# Altium PCB Gould.PcbDoc (part 2 of 2) (continued)
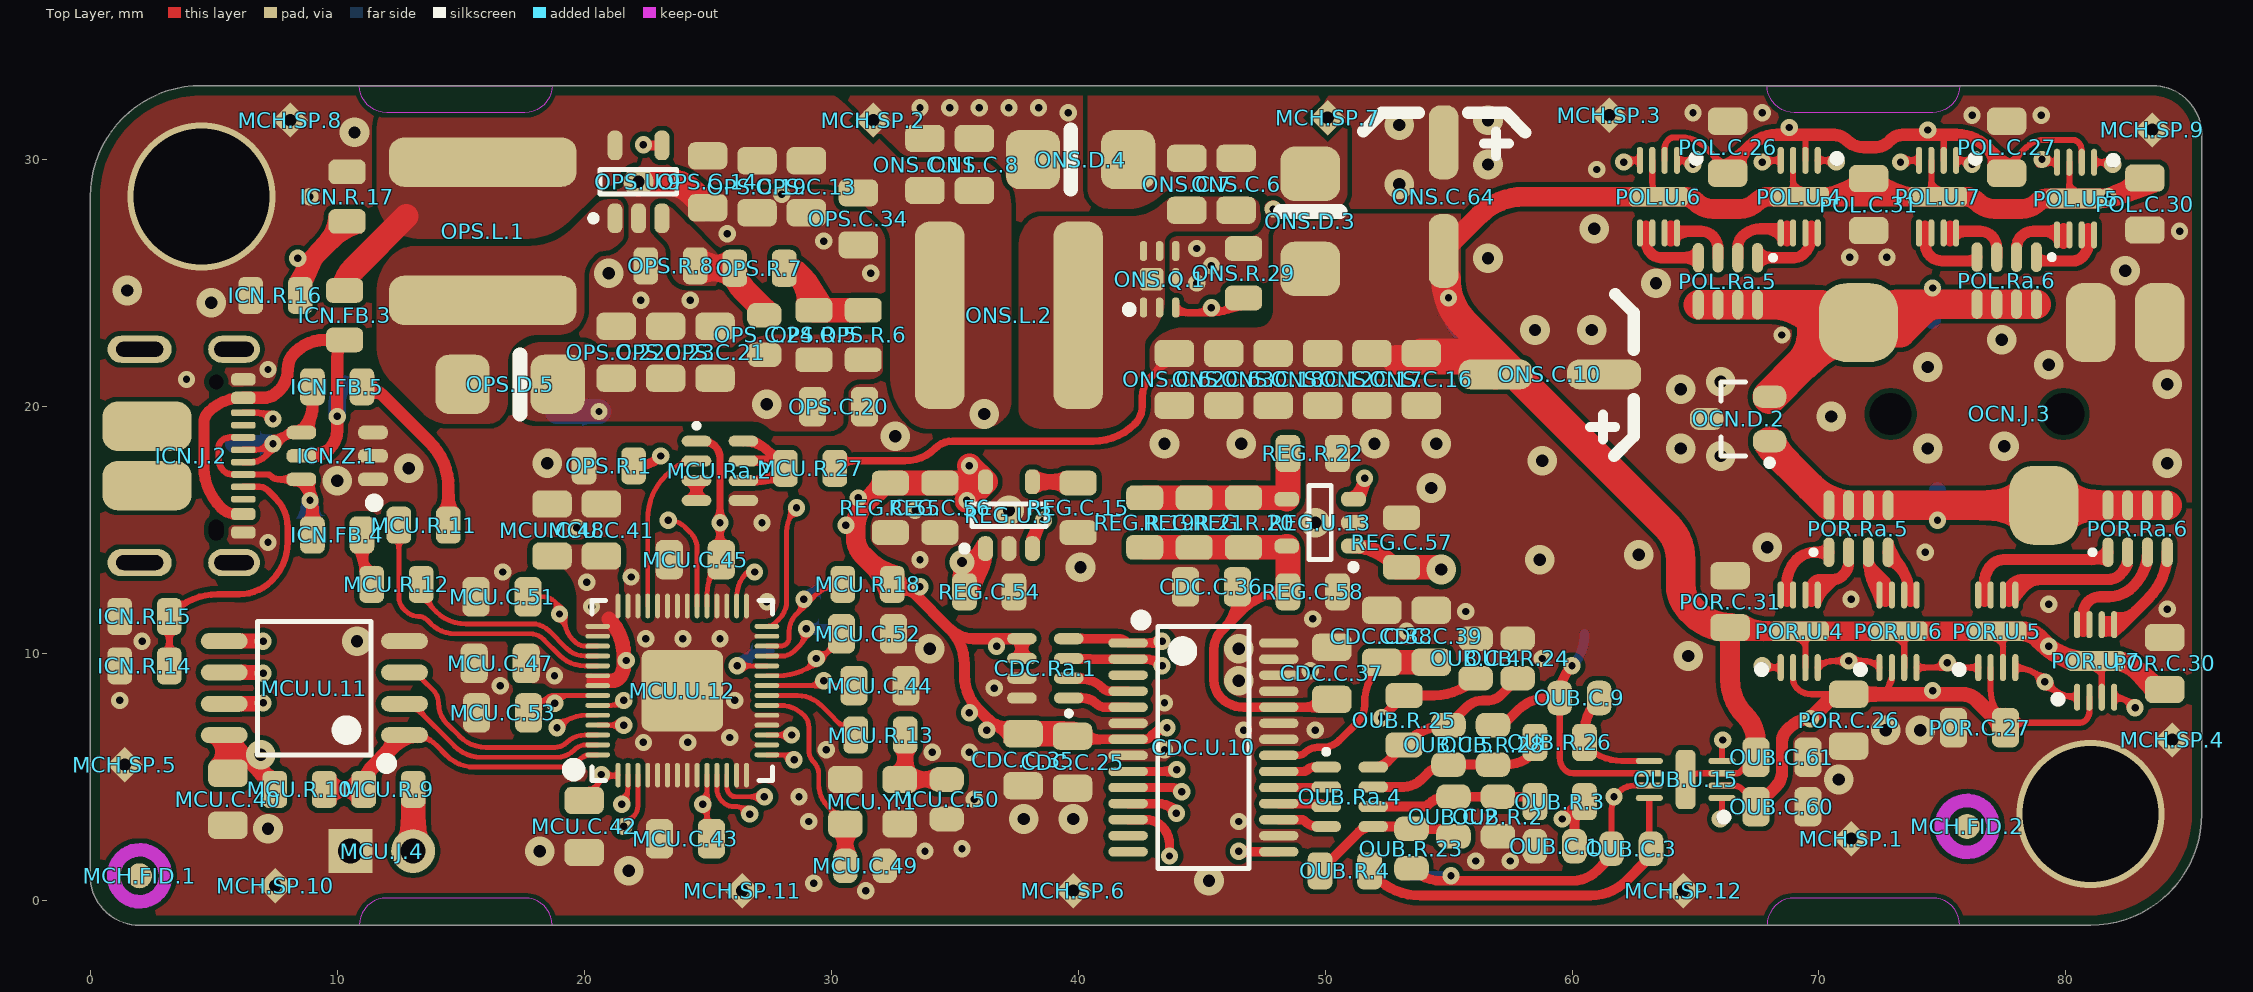
[diagram p0: Top Layer view]
## Nets (pads, with @x,y where several pads share a name; then routed paths per layer and width w, separated by ;. In a path a pad name is that pad's centre, name@x,y a point inside that pad or via, vN(x,y) a via of type N, cw(c..) or ccw(c..) an arc to the next point about the centre after c; other vN are vias at no path point) (continued)
NetMCU.C.49_1: MCU.C.49.1 MCU.U.12.20 MCU.Y.1.1 | length 8.4
  Top Layer w0.2: MCU.U.12.20@27.4,7.9 27.934,7.9 cw(c27.934,6.534) 28.9,7.5 cw(c28.417,7.017) 29.1,7.017 29.1,6.083 ccw(c29.783,6.083) 29.3,5.6 cw(c28.817,5.117) 29.5,5.117 29.5,4.7 ccw(c30.767,4.7) 29.871,3.804 MCU.Y.1.1@30.575,3.1 cw(c30.575,3.281) MCU.Y.1.1@30.447,3.153
  Top Layer w0.6: MCU.C.49.1@30.575,1.4 MCU.Y.1.1@30.575,3.1
NetMCU.C.50_2: MCU.C.50.2 MCU.R.13.2 MCU.Y.1.3 | length 3.8
  Top Layer w0.6: MCU.R.13.2@33.002,6.7 33.002,5.449 cw(c32.226,5.449) MCU.Y.1.3@32.775,4.9 MCU.C.50.2@34.675,4.9
NetMCU.J.4_2: MCU.J.4.2 MCU.R.9.1 | length 2.5
  Top Layer w1: MCU.J.4.2@13.075,2 13.077,2.002 MCU.R.9.1@13.077,4.5
NetMCU.R.9_2: MCU.R.9.2 MCU.R.10.2 MCU.U.11.1 MCU.U.12.56 | length 12.8
  Top Layer w0.2: MCU.U.11.1@12.725,6.695 13.046,6.695 cw(c13.046,5.346) 14,6.3 14.429,5.871 ccw(c15.567,7.01) 15.566,5.4 ; 15.567,5.4 19.076,5.4 ccw(c19.076,6.424) 19.8,5.7 cw(c20.283,5.217) 20.283,5.9 MCU.U.12.56@20.55,5.9
  Top Layer w0.6: MCU.R.10.2@9.477,4.5 MCU.R.9.2@11.073,4.5 cw(c12.383,4.5) 11.456,5.426 MCU.U.11.1@12.725,6.695
NetMCU.R.11_1: MCU.R.11.1 MCU.U.12.47 | length 12.1
  Top Layer w0.2: MCU.R.11.1@12.498,15.2 12.5,15.198 12.5,12.283 ccw(c13.183,12.283) 12.7,11.8 12.788,11.712 ccw(c13.3,12.224) 13.3,11.5 cw(c13.3,11.017) 13.641,11.359 13.8,11.2 ccw(c14.766,12.166) 14.766,10.8 17.8,10.8 cw(c17.8,9.993) 18.371,10.564 19.016,9.918 ccw(c20.024,10.924) 20.024,9.5 MCU.U.12.47@20.55,9.5
NetMCU.R.12_1: MCU.R.12.1 MCU.U.12.46 | length 8.7
  Top Layer w0.2: MCU.R.12.1@13.402,13.1 ccw(c15.34,13.1) 13.97,11.73 14,11.7 ccw(c15.207,12.907) 15.207,11.2 17.9,11.2 cw(c17.9,10.234) 18.583,10.917 19.3,10.2 ccw(c20.024,10.924) 20.024,9.9 MCU.U.12.46@20.55,9.9
NetMCU.R.13_1: MCU.R.13.1 MCU.U.12.21 | length 4.2
  Top Layer w0.2: MCU.U.12.21@27.4,8.3 28.634,8.3 cw(c28.634,6.934) 29.6,7.9 30.66,6.84 ccw(c30.998,7.177) MCU.R.13.1@30.998,6.7
NetMCU.R.18_2: MCU.R.18.2 MCU.TP.6.1 MCU.U.12.26 | length 6.3
  Top Layer w0.2: MCU.U.12.26@27.4,10.3 27.959,10.3 ccw(c27.959,10.641) 28.2,10.4 ccw(c27.959,10.641) 28.3,10.641 28.3,10.9 cw(c29.266,10.9) 28.583,11.583 29.324,12.324 cw(c30.473,11.176) MCU.R.18.2@30.473,12.8
  Bottom Layer w0.4: v1(28.9,12.2) cw(c30.349,10.751) 30.349,12.8 MCU.TP.6.1@30.6,12.8
NetMCU.R.27_2: MCU.R.27.2 MCU.Ra.2.6 MCU.Ra.2.7 MCU.Ra.2.8 | length 5.7
  Top Layer w0.4: MCU.Ra.2.6@26.45,17 26.94,17 ccw(c26.94,18.707) MCU.R.27.2@28.148,17.5 ; MCU.Ra.2.7@26.45,17.8 27.423,17.8 cw(c27.423,16.776) MCU.R.27.2@28.148,17.5 ; MCU.Ra.2.8@26.45,18.6 cw(c26.45,17.157) 27.47,18.177 MCU.R.27.2@28.148,17.5
NetMCU.Ra.2_2: MCU.Ra.2.2 MCU.U.12.39 | length 6.9
  Top Layer w0.2: MCU.U.12.39@22.575,11.925 22.575,15.45 cw(c25.05,15.45) 23.3,17.2 23.44,17.34 cw(c24.55,16.231) MCU.Ra.2.2@24.55,17.8
NetMCU.Ra.2_3: MCU.Ra.2.3 MCU.Ra.2.4 | length 0.8
  Top Layer w0.45: MCU.Ra.2.4@24.55,16.2 MCU.Ra.2.3@24.55,17
NetMCU.TP.5_1: MCU.TP.5.1 MCU.U.12.25 | length 3.8
  Top Layer w0.2: MCU.U.12.25@27.4,9.9 28.017,9.9 ccw(c28.017,10.583) 28.5,10.1 28.717,10.317 ccw(c28.034,11) v1(29,11)
  Bottom Layer w0.4: v1(29,11) 30.359,11 ccw(c30.359,11.341) MCU.TP.5.1@30.6,11.1
NetMCU.TP.7_1: MCU.TP.7.1 MCU.U.12.24 | length 2.7
  Top Layer w0.2: v1(26.2,9.5) MCU.U.12.24@27.4,9.5
  Bottom Layer w0.4: v1(26.2,9.5) 26.305,9.605 cw(c27.5,8.41) MCU.TP.7.1@27.5,10.1
NetMCU.U.11_2: MCU.U.11.2 MCU.U.12.55 | length 8.8
  Top Layer w0.2: MCU.U.11.2@12.725,7.965 cw(c12.725,7.217) 13.254,7.746 14.756,6.244 ccw(c15.828,7.316) 15.828,5.8 18.901,5.8 ccw(c18.901,6.765) 19.6,6.1 cw(c20.083,5.617) 20.083,6.3 MCU.U.12.55@20.55,6.3
NetMCU.U.11_3: MCU.U.11.3 MCU.U.12.54 | length 9.5
  Top Layer w0.2: MCU.U.11.3@12.725,9.235 cw(c12.725,8.173) 13.476,8.924 13.888,8.512 cw(c13.376,8) 14.1,8 ccw(c15.307,8) 14.453,7.147 14.956,6.644 ccw(c16.028,7.716) 16.028,6.2 18.817,6.2 ccw(c18.817,6.883) 19.3,6.4 cw(c20.024,5.676) 20.024,6.7 MCU.U.12.54@20.55,6.7
NetMCU.U.11_5: MCU.U.11.5 MCU.U.12.53 | length 22.1
  Top Layer w0.2: MCU.U.12.53@20.55,7.1 v1(21.6,7.1)
  Top Layer w0.6: MCU.U.11.5@5.425,10.505 6.995,10.505 v1(7,10.5)
  Plane 3 w0.4: v1(7,10.5) 6.495,9.995 ccw(c7.69,8.8) 6,8.8 6,7.883 ccw(c6.683,7.883) 6.2,7.4 6.246,7.354 ccw(c7.1,8.207) 7.1,7 7.676,7 cw(c7.676,5.976) 8.4,6.7 ccw(c9.607,7.907) 9.607,6.2 19.648,6.2 ccw(c19.648,8.74) 21.444,6.944 v1(21.6,7.1)
NetMCU.U.11_6: MCU.U.11.6 MCU.U.12.52 | length 16.1
  Top Layer w0.2: v1(18.9,7) cw(c20.107,5.793) 20.107,7.5 MCU.U.12.52@20.55,7.5
  Top Layer w0.6: MCU.U.11.6@5.425,9.235 6.915,9.235 cw(c6.915,9.115) v1(7,9.2)
  Plane 3 w0.4: v1(7,9.2) 8.456,7.744 ccw(c10.252,9.54) 10.252,7 v1(18.9,7)
NetMCU.U.11_7: MCU.U.11.7 MCU.U.12.51 | length 18.6
  Top Layer w0.2: MCU.U.12.51@20.55,7.9 21.117,7.9 ccw(c21.117,8.583) v1(21.6,8.1)
  Top Layer w0.6: MCU.U.11.7@5.425,7.965 6.916,7.965 ccw(c6.916,8.084) v1(7,8)
  Plane 4 w0.4: v1(7,8) 13.148,8 cw(c13.148,5.46) 14.944,7.256 15.4,6.8 ccw(c17.09,8.49) 17.09,6.1 18.348,6.1 ccw(c18.348,8.64) 20.144,6.844 21.259,7.959 cw(c21.6,7.617) v1(21.6,8.1)
NetMCU.U.12_28: MCU.U.12.28 ONS.Q.1.G ONS.R.29.2 | length 28.3
  Top Layer w0.2: MCU.U.12.28@27.4,11.1 ccw(c27.4,11.583) 27.741,11.241 27.9,11.4 ccw(c27.176,12.124) 28.2,12.124 28.2,14.934 cw(c29.566,14.934) v1(28.6,15.9)
  Top Layer w0.3: ONS.Q.1.G@43.95,24.01 ccw(c44.457,24.517) 44.457,23.8 45.5,23.8 ccw(c45.5,25.254) 46.528,24.226 ONS.R.29.2@46.7,24.398
  Plane 3 w0.35: v1(28.6,15.9) 29.356,16.656 cw(c31.152,14.86) 31.152,17.4 31.973,17.4 ccw(c31.973,19.156) 33.214,17.914 33.859,18.559 ccw(c33.517,18.9) 34,18.9 cw(c34.724,18.9) 34.212,19.412 34.9,20.1 cw(c36.349,18.651) 36.349,20.7 41.048,20.7 ccw(c41.048,23.24) 42.844,21.444 v1(45.4,24)
NetMCU.U.12_34: MCU.U.12.34 OPS.R.1.2 OPS.U.9.4 | length 21.7
  Top Layer w0.2: v1(23.4,15.4) cw(c23.4,14.434) 24.083,15.117 24.3,14.9 cw(c23.636,14.236) 24.575,14.236 MCU.U.12.34@24.575,11.925
  Top Layer w0.4: OPS.R.1.2@22.002,17.6 22.134,17.6 ccw(c22.134,18.966) v1(23.1,18) ; v1(22.4,30.6) ccw(c22.46,30.66) 22.46,30.575 OPS.U.9.4@23.15,30.575
  Plane 4 w0.4: v1(22.4,30.6) cw(c22.4,30.359) 22.571,30.529 22.9,30.2 cw(c21.693,28.993) 23.4,28.993 v1(23.4,15.4)
NetOCN.D.2_1: OCN.D.2.1 OCN.J.3.3 OCN.TP.14.1 POR.Ra.5.5 POR.Ra.5.6 POR.Ra.5.7 POR.Ra.5.8 POR.Ra.6.5 POR.Ra.6.6 POR.Ra.6.7 POR.Ra.6.8 | length 21.7
  Top Layer w1.2: OCN.D.2.1@68,18.6 ccw(c68.483,18.6) 68.141,18.259 68.75,17.65 ; POR.Ra.6.5@84.1,16 POR.Ra.6.6@83.3,16 POR.Ra.6.7@82.5,16 POR.Ra.6.8@81.7,16 POR.Ra.5.5@72.8,16 POR.Ra.5.6@72,16 71.452,16 ; 68.75,17.65 POR.Ra.5.8@70.4,16 POR.Ra.5.7@71.2,16 71.452,16 ; 68.75,17.65 69.656,16.744 ccw(c71.452,18.54) 71.452,16
  Bottom Layer w0.7: v1(74.8,15.4) OCN.TP.14.1@74.8,16.6
NetOCN.D.2_2: OCN.D.2.2 OCN.J.3.2 OCN.TP.15.1 POL.Ra.5.5 POL.Ra.5.6 POL.Ra.5.7 POL.Ra.5.8 POL.Ra.6.5 POL.Ra.6.6 POL.Ra.6.7 POL.Ra.6.8 | length 27.8
  Top Layer w1.2: POL.Ra.5.5@65.112,24.128 POL.Ra.5.6@65.912,24.128 POL.Ra.5.7@66.712,24.128 POL.Ra.5.8@67.512,24.128 68.043,24.128 ; 69.8,23.4 ccw(c68.043,21.643) 68.043,24.128 ; POL.Ra.6.8@78.8,24.15 POL.Ra.6.7@78,24.15 POL.Ra.6.6@77.2,24.15 POL.Ra.6.5@76.4,24.15 74.901,24.15 ; 68.043,24.128 69.843,24.128 cw(c69.843,21.643) OCN.J.3.2@71.6,23.4 ; OCN.J.3.2@71.6,23.4 ccw(c72.566,24.366) 72.566,23 73.3,23 74.131,23.831 cw(c74.901,23.061) 74.901,24.15 ; OCN.J.3.2@71.6,23.4 71.606,23.406 cw(c73.402,21.61) 73.402,24.15 74.901,24.15
  Top Layer w1.4: OCN.D.2.2@68,20.4 69.289,21.689 ; 69.8,23.4 69.8,22.924 cw(c68.051,22.924) 69.289,21.689 ; OCN.J.3.2@71.6,23.4 ccw(c71.6,21.951) 70.576,22.976 69.289,21.689
  Bottom Layer w0.7: OCN.TP.15.1@74.6,23.5 v1(74.6,24.8)
NetONS.C.6_1: ONS.C.6.1 ONS.C.7.1 ONS.D.3.1 ONS.D.4.2
NetONS.C.6_2: ONS.C.6.2 ONS.C.7.2 ONS.L.2.2 ONS.Q.1.D
NetOPS.C.24_1: OPS.C.24.1 OPS.R.7.1 OPS.R.8.2 OPS.U.9.3 | length 3.8
  Top Layer w1: OPS.R.8.2@24.502,25.7 ccw(c24.744,25.941) 24.744,25.6 OPS.R.7.1@26.098,25.6 ccw(c27.293,25.6) 26.448,24.755 OPS.C.24.1@27.3,23.902
NetOPS.D.5_2: OPS.D.5.2 OPS.L.1.2 OPS.U.9.1
NetOPS.R.5_1: OPS.R.5.1 OPS.R.6.1 OPS.R.7.2 | length 4.3
  Top Layer w1: OPS.R.7.2@28.102,25.6 cw(c28.102,24.882) 28.61,25.39 28.8,25.2 cw(c27.593,23.993) 29.3,23.993 OPS.R.5.1@29.3,23.902 OPS.R.6.1@31.3,23.902
NetOUB.C.1_1: OUB.C.1.1 OUB.R.3.2 OUB.U.15.1 | length 10.3
  Top Layer w0.25: v1(66,3.3) ccw(c65.831,3.469) 66.07,3.469 OUB.U.15.1@66.07,4.15
  Top Layer w0.4: v1(59.6,3.3) 60.157,3.857 cw(c60.502,3.511) OUB.R.3.2@60.502,4 ccw(c61.474,3.029) 60.1,3.029 OUB.C.1.1@60.1,2.2
  Plane 4 w0.4: v1(59.6,3.3) v1(66,3.3)
NetOUB.C.2_1: OUB.C.2.1 OUB.R.4.1 OUB.R.23.2 OUB.Ra.4.5 | length 6.2
  Top Layer w0.4: OUB.R.4.1@49.798,1.2 49.8,1.2 51.353,2.753 cw(c51.95,2.155) OUB.Ra.4.5@51.95,3 53.259,3 cw(c53.259,2.659) OUB.R.23.2@53.5,2.9 54.476,2.9 cw(c54.476,1.876) OUB.C.2.1@55.2,2.6
NetOUB.C.2_2: OUB.C.2.2 OUB.R.2.2 OUB.R.3.1 OUB.Ra.4.6 | length 6.7
  Top Layer w0.4: OUB.Ra.4.6@51.95,3.8 53.959,3.8 ccw(c53.959,4.141) 54.2,3.9 cw(c54.924,3.176) 54.924,4.2 OUB.C.2.2@55.2,4.2 OUB.R.2.2@57,4.2 58.015,4.2 cw(c58.015,3.517) OUB.R.3.1@58.498,4
NetOUB.C.3_1: OUB.C.3.1 OUB.R.4.2 OUB.U.15.8 | length 14.6
  Top Layer w0.25: OUB.U.15.8@63.13,4.15 63.13,2.269 ccw(c63.369,2.269) OUB.C.3.1@63.2,2.1
  Top Layer w0.4: OUB.R.4.2@51.802,1.2 52.058,0.944 ccw(c53.855,2.74) 53.855,0.2 60.751,0.2 ccw(c60.751,2.249) 62.2,0.8 62.988,1.588 ccw(c62.476,2.1) OUB.C.3.1@63.2,2.1
NetOUB.C.3_2: OUB.C.3.2 OUB.R.23.1 OUB.TP.4.1 OUB.U.15.7 POR.U.4.1 POR.U.4.4 POR.U.5.1 POR.U.5.4 POR.U.6.1 POR.U.6.4 POR.U.7.1 POR.U.7.4 | length 48.4
  Top Layer w0.25: OUB.C.3.2@61.6,2.1 61.6,3.676 cw(c62.624,3.676) 61.9,4.4 cw(c62.504,3.796) 62.504,4.65 OUB.U.15.7@63.13,4.65 ; v1(67.7,9.5) ccw(c67.869,9.669) 67.869,9.43 POR.U.4.1@68.45,9.43 ; POR.U.4.4@69.95,9.43 cw(c70.602,8.778) 70.602,9.7 v1(71.2,9.7) 71.798,9.7 cw(c71.798,8.778) POR.U.6.1@72.45,9.43 ; POR.U.6.4@73.95,9.43 POR.U.5.1@76.45,9.43 ; POR.U.5.4@77.95,9.43 cw(c77.95,7.933) 79.008,8.992 v1(79.149,8.851) 79.289,8.711 ccw(c80.45,9.872) POR.U.7.1@80.45,8.23 ; POR.U.7.4@81.95,8.23 cw(c81.95,7.216) 82.667,7.933 v1(82.799,7.799)
  Top Layer w0.4: OUB.R.23.1@53.5,1.3 ccw(c54.707,2.507) 54.707,0.8 60.034,0.8 ccw(c60.034,2.166) 61,1.2 61.388,1.588 ccw(c60.876,2.1) OUB.C.3.2@61.6,2.1
  Plane 3 w0.5: v1(67.7,9.5) 68.07,9.653 ; 68.074,9.703 ccw(c68.183,11.557) 68.183,9.7 ; 68.233,9.7 v1(71.2,9.7) 75.031,9.7 cw(c75.031,9.461) v1(75.2,9.63) 77.318,9.63 cw(c77.318,7.09) 79.114,8.886 v1(79.149,8.851) 80.695,8.851 cw(c80.695,6.311) 82.491,8.107 v1(82.799,7.799)
  Plane 3 w0.6: v1(61.7,4.2) cw(c63.39,4.2) 62.195,5.395 65.709,8.909 cw(c67.505,7.113) 67.505,9.653 68.07,9.653
  Bottom Layer w0.4: OUB.TP.4.1@53.5,1 v1(55.1,1)
NetOUB.C.4_1: OUB.C.4.1 OUB.R.25.2 OUB.U.15.4 | length 19.3
  Top Layer w0.25: OUB.U.15.4@66.07,5.65 66.07,6.428 cw(c66.172,6.428) v1(66.1,6.5)
  Top Layer w0.4: v1(52.3,7.4) 52.3,7.402 OUB.R.25.2@53.2,8.302 54.416,8.302 ccw(c54.416,10.684) OUB.C.4.1@56.1,9
  Plane 4 w0.4: v1(52.3,7.4) 64.148,7.4 cw(c64.148,4.86) 65.944,6.656 v1(66.1,6.5)
NetOUB.C.5_1: OUB.C.5.1 OUB.R.26.1 OUB.R.28.2 OUB.Ra.4.7 | length 7
  Top Layer w0.4: OUB.Ra.4.7@51.95,4.6 53.176,4.6 ccw(c53.176,5.624) 53.9,4.9 54.146,5.146 cw(c55,4.293) OUB.C.5.1@55,5.5 OUB.R.28.2@56.8,5.5 57.29,5.5 ccw(c57.29,7.207) OUB.R.26.1@58.498,6
NetOUB.C.5_2: OUB.C.5.2 OUB.R.24.2 OUB.R.25.1 OUB.Ra.4.8 | length 7.1
  Top Layer w0.4: OUB.Ra.4.8@51.95,5.4 ccw(c51.95,6.251) 52.552,5.649 OUB.R.25.1@53.2,6.298 53.297,6.395 cw(c55,4.692) OUB.C.5.2@55,7.1 55.717,7.817 cw(c56.4,7.134) 56.4,8.1 56.617,8.1 ccw(c56.617,8.783) 57.1,8.3 OUB.R.24.2@57.8,9
NetOUB.C.9_1: OUB.C.9.1 OUB.R.26.2 OUB.U.15.5 | length 4.9
  Top Layer w0.25: OUB.R.26.2@60.6,6.236 ccw(c62.014,7.649) 62.014,5.65 OUB.U.15.5@63.13,5.65
  Top Layer w0.4: OUB.R.26.2@60.502,6 ccw(c60.267,6.236) OUB.R.26.2@60.6,6.236 ; OUB.R.26.2@60.502,6.4 60.502,6.757 cw(c62.543,6.757) OUB.C.9.1@61.1,8.2
NetOUB.C.9_2: OUB.C.9.2 OUB.R.28.1 OUB.TP.10.1 OUB.U.15.6 POL.U.4.1 POL.U.4.4 POL.U.5.1 POL.U.5.4 POL.U.6.1 POL.U.6.4 POL.U.7.1 POL.U.7.4 | length 59.3
  Top Layer w0.25: OUB.C.9.2@59.5,8.2 59.5,5.783 ccw(c60.183,5.783) 59.7,5.3 ccw(c60.062,5.662) 60.062,5.15 OUB.U.15.6@63.13,5.15 ; v1(62.1,29.9) cw(c62.269,29.731) 62.269,29.97 POL.U.6.4@62.75,29.97 ; POL.U.6.1@64.25,29.97 64.831,29.97 cw(c64.831,29.731) 65,29.9 v1@64.998,29.901 ; v1(67.7,29.9) cw(c67.869,29.731) 67.869,29.97 POL.U.4.4@68.45,29.97 ; POL.U.4.1@69.95,29.97 70.531,29.97 cw(c70.531,29.731) v1(70.7,29.9) ; v1(73.3,29.9) cw(c73.469,29.731) 73.469,29.97 POL.U.7.4@74.05,29.97 ; POL.U.7.1@75.55,29.97 76.131,29.97 cw(c76.131,29.731) 76.3,29.9 v1@76.298,29.901 ; v1@78.929,29.807 78.9,29.8 cw(c79.122,29.578) 79.122,29.892 POL.U.5.4@79.638,29.892 ; POL.U.5.1@81.138,29.892 81.678,29.892 cw(c81.678,29.578) 81.9,29.8 v1(81.897,29.801)
  Top Layer w0.4: OUB.R.28.1@56.8,7.1 ccw(c56.8,8.066) 57.483,7.383 57.8,7.7 cw(c59.007,6.493) 59.007,8.2 OUB.C.9.2@59.5,8.2 59.5,8.293 cw(c61.207,8.293) v1(60,9.5)
  Plane 3 w0.5: v1(60,9.5) 60,15.448 cw(c62.54,15.448) 60.744,17.244 61.356,17.856 ccw(c59.56,19.652) 62.1,19.652 v1(62.1,29.9) ccw(c62.325,30.125) 62.325,29.807 78.929,29.807 78.935,29.801 v1(81.897,29.801)
  Bottom Layer w0.4: v1(60,9.5) ccw(c58.793,10.707) 60.5,10.707 OUB.TP.10.1@60.5,10.8
  other v1: 64.898,29.801 76.198,29.801 79.029,30.007
NetPOL.Ra.5_1: POL.Ra.5.1 POL.U.4.7 POL.U.4.8 | length 3.1
  Top Layer w0.45: POL.Ra.5.1@67.512,26.028 68.985,26.028 ccw(c68.985,26.615) 69.4,26.2 ccw(c68.676,26.924) 69.7,26.924 69.7,27.3
NetPOL.Ra.5_2: POL.Ra.5.2 POL.U.4.5 POL.U.4.6 | length 4.3
  Top Layer w0.45: POL.Ra.5.2@66.712,26.028 66.712,26.447 cw(c67.353,26.447) 66.9,26.9 cw(c67.624,26.176) 67.624,27.2 67.921,27.2 ; 68.7,26.7 68.397,27.003 ccw(c67.921,26.526) 67.921,27.2 ; 68.7,27 ccw(c68.217,26.517) 68.217,27.2 ; 68.7,27.3 cw(c68.459,27.541) 68.459,27.2 68.217,27.2 ; 67.921,27.2 68.217,27.2
NetPOL.Ra.5_3: POL.Ra.5.3 POL.U.6.7 POL.U.6.8 | length 4.2
  Top Layer w0.45: 63.9,27 cw(c64.141,26.759) 64.141,27.1 64.483,27.1 ; 64,26.7 64.188,26.888 cw(c64.7,26.376) 64.7,27.1 ; 64,27.3 ccw(c64.483,27.783) 64.483,27.1 ; POL.Ra.5.3@65.912,26.028 65.912,26.387 ccw(c65.187,26.387) 65.7,26.9 ccw(c65.217,26.417) 65.217,27.1 64.7,27.1 ; 64.483,27.1 64.7,27.1
NetPOL.Ra.5_4: POL.Ra.5.4 POL.U.6.5 POL.U.6.6 | length 3.1
  Top Layer w0.45: 63,27.3 63,26.683 ccw(c63.683,26.683) 63.2,26.2 ccw(c63.615,26.615) 63.615,26.028 POL.Ra.5.4@65.112,26.028
NetPOL.Ra.6_1: POL.Ra.6.1 POL.U.5.7 POL.U.5.8 | length 3.2
  Top Layer w0.45: POL.Ra.6.1@78.8,26.05 ccw(c79.162,26.412) 79.162,25.9 80.3,25.9 ccw(c80.3,26.383) 80.641,26.041 80.7,26.1 ccw(c80.217,26.583) 80.9,26.583 80.9,27.2
NetPOL.Ra.6_2: POL.Ra.6.2 POL.U.5.5 POL.U.5.6 | length 4.1
  Top Layer w0.45: POL.Ra.6.2@78,26.05 78,26.417 cw(c78.683,26.417) 78.2,26.9 cw(c78.683,26.417) 78.683,27.1 79.171,27.1 ; 79.9,26.6 79.562,26.938 ccw(c79.171,26.546) 79.171,27.1 ; 79.9,27.2 cw(c79.659,27.441) 79.659,27.1 POL.U.5.5@79.517,27.1 ; 80,26.9 ccw(c79.517,26.417) POL.U.5.5@79.517,27.1 ; 79.171,27.1 POL.U.5.5@79.517,27.1
NetPOL.Ra.6_3: POL.Ra.6.3 POL.U.7.7 POL.U.7.8 | length 4.1
  Top Layer w0.45: 75.2,27 cw(c75.441,26.759) 75.441,27.1 75.783,27.1 ; 75.3,26.7 75.559,26.959 cw(c75.9,26.617) 75.9,27.1 ; 75.3,27.3 ccw(c75.783,27.783) 75.783,27.1 ; POL.Ra.6.3@77.2,26.05 77.2,26.417 ccw(c76.517,26.417) 77,26.9 ccw(c76.517,26.417) 76.517,27.1 75.9,27.1 ; 75.783,27.1 75.9,27.1
NetPOL.Ra.6_4: POL.Ra.6.4 POL.U.7.5 POL.U.7.6 | length 3.2
  Top Layer w0.45: 74.3,27.3 74.3,26.583 ccw(c74.983,26.583) 74.5,26.1 ccw(c74.983,26.583) 74.983,25.9 76.038,25.9 ccw(c76.038,26.412) POL.Ra.6.4@76.4,26.05
NetPOR.Ra.5_1: POR.Ra.5.1 POR.U.4.7 POR.U.4.8 | length 3.2
  Top Layer w0.45: 68.7,12.1 68.7,12.834 cw(c70.066,12.834) 69.1,13.8 cw(c69.824,13.076) 69.824,14.1 POR.Ra.5.1@70.4,14.1
NetPOR.Ra.5_2: POR.Ra.5.2 POR.U.4.5 POR.U.4.6 | length 4.3
  Top Layer w0.45: POR.Ra.5.2@71.2,14.1 71.2,13.683 cw(c70.517,13.683) 71,13.2 70.941,13.141 cw(c70.6,13.483) 70.6,13 ; 70.6,13 69.7,12.1 69.7,12.659 cw(c70.041,12.659) 69.8,12.9 cw(c70.041,12.659) 70.041,13 70.6,13
NetPOR.Ra.5_3: POR.Ra.5.3 POR.U.6.7 POR.U.6.8 | length 4.1
  Top Layer w0.45: POR.Ra.5.3@72,14.1 POR.Ra.5.3@72,13.79 ; POR.Ra.5.3@72,13.79 ccw(c72.459,13.79) 72.134,13.466 72.7,12.9 72.7,12.1 cw(c74.39,13.79) POR.Ra.5.3@72,13.79
NetPOR.Ra.5_4: POR.Ra.5.4 POR.U.6.5 POR.U.6.6 | length 2.3
  Top Layer w0.45: POR.Ra.5.4@72.8,14.1 72.956,13.944 cw(c71.16,12.148) 73.7,12.148 73.7,12.1
NetPOR.Ra.6_1: POR.Ra.6.1 POR.U.5.7 POR.U.5.8 | length 6.4
  Top Layer w0.45: 76.7,12.1 76.7,12.876 cw(c77.724,12.876) 77,13.6 cw(c77.483,13.117) 77.483,13.8 80.976,13.8 ccw(c80.976,14.824) POR.Ra.6.1@81.7,14.1
NetPOR.Ra.6_2: POR.Ra.6.2 POR.U.5.5 POR.U.5.6 | length 7.8
  Top Layer w0.45: POR.Ra.6.2@82.5,14.1 82.5,13.924 cw(c81.476,13.924) 82.2,13.2 cw(c81.717,13.683) 81.717,13 79,13 ; 79,13 ccw(c79,12.034) 78.317,12.717 77.7,12.1 77.7,12.559 cw(c78.041,12.559) 77.8,12.8 cw(c78.283,12.317) 78.283,13 79,13
NetPOR.Ra.6_3: POR.Ra.6.3 POR.U.7.7 POR.U.7.8 | length 4.8
  Top Layer w0.45: 80.7,10.9 80.7,11.617 cw(c81.383,11.617) 80.9,12.1 cw(c81.383,11.617) 81.383,12.3 81.734,12.3 ccw(c81.734,13.666) 82.7,12.7 82.734,12.734 ccw(c81.369,14.1) POR.Ra.6.3@83.3,14.1
NetPOR.Ra.6_4: POR.Ra.6.4 POR.U.7.5 POR.U.7.6 | length 5.7
  Top Layer w0.45: 81.6,10.9 ccw(c81.6,11.866) 82.283,11.183 83.356,12.256 ccw(c81.56,14.052) 84.1,14.052 POR.Ra.6.4@84.1,14.1 ; 81.6,11.3 81.807,11.3 ccw(c81.807,12.732) 82.819,11.719
NetREG.C.15_2: REG.C.15.2 REG.U.3.4 | length 1.9
  Top Layer w0.6: REG.U.3.4@38.15,16.95 39.885,16.95 cw(c39.885,16.787) REG.C.15.2@40,16.902
NetREG.R.19_1: REG.R.19.1 REG.R.20.1 REG.R.21.1 REG.R.22.2 REG.U.13.4 | length 7.6
  Top Layer w1: REG.R.19.1@42.7,16.302 REG.R.21.1@44.7,16.302 REG.R.20.1@46.7,16.302 48.323,16.302 cw(c48.323,16.123) REG.U.13.4@48.45,16.25 ccw(c48.335,16.365) 48.498,16.365 REG.R.22.2@48.498,18.1
pads on no net: CDC.U.10.3 CDC.U.10.13 CDC.U.10.14 ICN.J.2. ICN.J.2.4 ICN.J.2.10 ICN.J.2.SHELL MCH.FID.1.1 MCH.FID.2.1 OCN.J.3.22

## Polygon pours and split planes (outlines as drawn)
GND on Top Layer "GND_L01_P013" (solid, remove dead copper, pour order 13): 0,-1 86,-1 86,33 0,33
NetONS.C.6_2 on Top Layer "NETONS.C.6_2_L01_P005" (solid, remove dead copper, pour order 5): 43.983,28.5 ccw(c43.983,27.817) 43.5,28.3 43.466,28.266 cw(c42.1,29.631) 42.1,27.7 38.483,27.7 ccw(c38.483,27.017) 38,27.5 ccw(c38.966,26.534) 37.6,26.534 37.6,19.883 ccw(c38.283,19.883) 37.8,19.4 ccw(c38.524,20.124) 38.524,19.1 40.934,19.1 ccw(c40.934,20.466) 41.9,19.5 41.993,19.593 ccw(c40.286,21.3) 42.7,21.3 42.7,22.417 cw(c43.383,22.417) 42.9,22.9 42.934,22.934 ccw(c41.569,24.3) 43.5,24.3 43.5,26.659 cw(c43.841,26.659) 43.6,26.9 43.659,26.959 cw(c44,26.617) 44,27.1 46.959,27.1 ccw(c46.959,27.441) 47.2,27.2 ccw(c46.717,27.683) 47.4,27.683 47.4,28.059 ccw(c47.059,28.059) 47.3,28.3 ccw(c46.817,27.817) 46.817,28.5 46.7,28.5
3V3 on Top Layer "3V3_L01_P009" (solid, remove dead copper, pour order 9): 20.9,9.2 20.007,9.2 cw(c20.007,10.907) 18.8,9.7 18.241,10.259 ccw(c17.9,9.917) 17.9,10.4 17.9,8.8 18.259,8.8 cw(c18.259,8.459) 18.5,8.7 ccw(c18.741,8.941) 18.741,8.6 20.9,8.6
3V3 on Top Layer "3V3_L01_P007" (solid, remove dead copper, pour order 7): 21.4,13.517 ccw(c20.717,13.517) 21.2,14 21.154,14.046 ccw(c20.3,13.193) 20.3,14.4 19.1,14.4 19.1,13.6 ccw(c19.341,13.6) 19.171,13.429 19.2,13.4 cw(c17.993,12.193) 19.7,12.193 19.7,11.041 ccw(c20.041,11.041) 19.8,10.8 ccw(c20.041,11.041) 20.041,10.7 20.8,10.7 ccw(c20.8,11.183) 21.141,10.841 21.2,10.9 ccw(c20.717,11.383) 21.4,11.383 21.4,11.8
-9V on Top Layer "-9V_L01_P006" (solid, remove dead copper, pour order 6): 50.9,27.8 55.5,27.8 55.5,22.283 cw(c54.817,22.283) 55.3,21.8 55.154,21.654 cw(c54.3,22.507) 54.3,21.3 43.241,21.3 cw(c43.241,21.641) 43,21.4 cw(c43.241,21.641) 42.9,21.641 42.9,22.217 cw(c43.583,22.217) 43.1,22.7 cw(c44.307,21.493) 44.307,23.2 47.217,23.2 ccw(c47.217,23.883) 47.7,23.4 ccw(c47.217,23.883) 47.9,23.883 47.9,26.817 cw(c48.583,26.817) 48.1,27.3 cw(c48.583,26.817) 48.583,27.5 50.176,27.5 ccw(c50.176,28.524)
NetONS.C.6_1 on Top Layer "NETONS.C.6_1_L01_P004" (solid, remove dead copper, pour order 4): 40.4,33 50.9,33 50.9,28.683 cw(c50.217,28.683) 50.7,28.2 cw(c49.976,28.924) 49.976,27.9 49.149,27.9 cw(c49.149,29.949) 47.7,28.5 ccw(c46.976,27.776) 46.976,28.8 43.883,28.8 ccw(c43.883,28.117) 43.4,28.6 cw(c41.951,30.049) 41.951,28 41.324,28 cw(c41.324,29.024) 40.6,28.3 cw(c41.083,28.783) 40.4,28.783 40.4,30
NetOPS.C.24_1 on Top Layer "NETOPS.C.24_1_L01_P003" (solid, remove dead copper, pour order 3): 23.1,28.2 cw(c23.1,27.476) 23.612,27.988 25.288,26.312 cw(c24.776,25.8) 25.5,25.8 25.5,25.383 cw(c24.817,25.383) 25.3,24.9 24.183,24.9 cw(c24.183,25.583) 23.7,25.1 cw(c24.183,25.583) 23.5,25.583 23.5,26.217 ccw(c22.817,26.217) 23.3,26.7 23.041,26.959 cw(c23.383,27.3) 22.9,27.3 22.9,27.859 cw(c23.241,27.859) 23,28.1
NetICN.FB.3_2 on Top Layer "NETICN.FB.3_2_L01_P000" (solid, remove dead copper, pour order 0): 28.748,33 cw(c28.748,30.46) 30.544,32.256 32.617,30.183 ccw(c33.3,30.866) 33.3,29.9 36.117,29.9 cw(c36.117,29.217) 36.6,29.7 cw(c34.91,28.01) 37.3,28.01 37.3,20.224 cw(c36.276,20.224) 37,19.5 cw(c36.034,20.466) 36.034,19.1 33.924,19.1 cw(c33.924,20.124) 33.2,19.4 33.144,19.456 cw(c34.94,21.252) 32.4,21.252 32.4,26.676 ccw(c31.376,26.676) 32.1,27.4 31.136,28.364 ccw(c29.6,26.827) 29.6,29 21.466,29 ccw(c21.466,27.634) 20.5,28.6 19.444,27.544 cw(c17.648,29.34) 17.648,26.8 13.307,26.8 cw(c13.307,28.507) 12.1,27.3 cw(c13.307,28.507) 11.6,28.507 11.6,31.234 cw(c12.966,31.234) 12,32.2 12.056,32.256 cw(c13.852,30.46) 13.852,33
9V on Top Layer "9V_L01_P002" (solid, remove dead copper, pour order 2): 17.2,21.576 cw(c18.224,21.576) 17.5,22.3 cw(c18.224,21.576) 18.224,22.6 19.917,22.6 cw(c19.917,21.917) 20.4,22.4 ccw(c20.883,22.883) 20.883,22.2 25.959,22.2 ccw(c25.959,22.541) 26.2,22.3 cw(c27.649,20.851) 27.649,22.9 31.659,22.9 cw(c31.659,22.559) 31.9,22.8 cw(c31.417,22.317) 32.1,22.317 32.1,21.541 cw(c31.759,21.541) 32,21.3 cw(c31.517,21.783) 31.517,21.1 31.183,21.1 ccw(c31.183,20.417) 30.7,20.9 30.641,20.841 ccw(c30.983,20.5) 30.5,20.5 30.5,19.441 cw(c30.159,19.441) 30.4,19.2 cw(c29.917,19.683) 29.917,19 27.741,19 cw(c27.741,19.341) 27.5,19.1 ccw(c26.776,18.376) 26.776,19.4 18.124,19.4 cw(c18.124,20.424) 17.4,19.7 cw(c17.883,20.183) 17.2,20.183
NetOPS.D.5_2 on Top Layer "NETOPS.D.5_2_L01_P001" (solid, remove dead copper, pour order 1): 13.166,26.5 ccw(c13.166,25.134) 12.2,26.1 ccw(c13.649,24.651) 11.6,24.651 11.6,22.449 ccw(c13.649,22.449) 12.2,21 13.476,19.724 ccw(c14.5,20.749) 14.5,19.3 16.117,19.3 ccw(c16.117,19.983) 16.6,19.5 ccw(c15.876,20.224) 16.9,20.224 16.9,21.776 cw(c17.924,21.776) 17.2,22.5 cw(c18.166,21.534) 18.166,22.9 18.976,22.9 ccw(c18.976,23.924) 19.7,23.2 ccw(c18.976,23.924) 20,23.924 20,25.276 cw(c21.024,25.276) 20.3,26 20.459,26.159 cw(c20.8,25.817) 20.8,26.3 ccw(c20.8,27.024) 21.312,26.512 21.5,26.7 ccw(c21.259,26.941) 21.6,26.941 21.6,28.059 ccw(c21.259,28.059) 21.5,28.3 ccw(c21.259,28.059) 21.259,28.4 21,28.4 ccw(c21,27.676) 20.488,28.188 19.544,27.244 cw(c17.748,29.04) 17.748,26.5 15.5,26.5
GND on Plane 2 "GND_L03_P015" (solid, remove dead copper, pour order 15): 0,33 86,33 86,-1 0,-1
3V3 on Plane 2 "3V3_L03_P012" (solid, remove dead copper, pour order 12): 14.052,19 ccw(c14.052,16.46) 12.256,18.256 3.744,9.744 ccw(c5.54,7.948) 3,7.948 3,4.052 ccw(c5.54,4.052) 3.744,2.256 4.256,1.744 ccw(c6.052,3.54) 6.052,1 42.948,1 ccw(c42.948,3.54) 44.744,1.744 45.256,2.256 ccw(c43.46,4.052) 46,4.052 46,13.948 ccw(c43.46,13.948) 45.256,15.744 42.744,18.256 ccw(c40.948,16.46) 40.948,19 34,19
GND on Plane 1 "GND_L02_P014" (solid, remove dead copper, pour order 14): 0,33 86,33 86,-1 0,-1
GND on Plane 3 "GND_L04_P016" (solid, remove dead copper, pour order 16): 0,33 86,33 86,-1 0,-1
GND on Bottom Layer "GND_L06_P018" (solid, remove dead copper, pour order 18): 0,33 86,33 86,-1 0,-1
GND on Plane 4 "GND_L05_P017" (solid, remove dead copper, pour order 17): 0,33 86,33 86,-1 0,-1

## Keep-outs
Keep-Out Layer:
  region: 12,31.9 cw(c12,33) 10.9,33 18.7,33 cw(c17.6,33) 17.6,31.9
  region: 69,0.1 ccw(c69,-1) 67.9,-1 75.7,-1 ccw(c74.6,-1) 74.6,0.1
  region: 69,31.9 cw(c69,33) 67.9,33 75.7,33 cw(c74.6,33) 74.6,31.9
  region: 12,0.1 ccw(c12,-1) 10.9,-1 18.7,-1 ccw(c17.6,-1) 17.6,0.1

## Silkscreen, mask and mechanical layers (free items; w line width, h text height)
Bottom Overlay:
  text "Licensed under the / CERN-OHL-S v2 / Copyright Ploopy  / 2022" at 47.6,25.6 h2
  text "Gould R1.007 / December 2022" at 19.4,4.4 h3
Board Outline:
  the board outline again, w0.2